# KiCad board RASBB.kicad_pcb (continued)
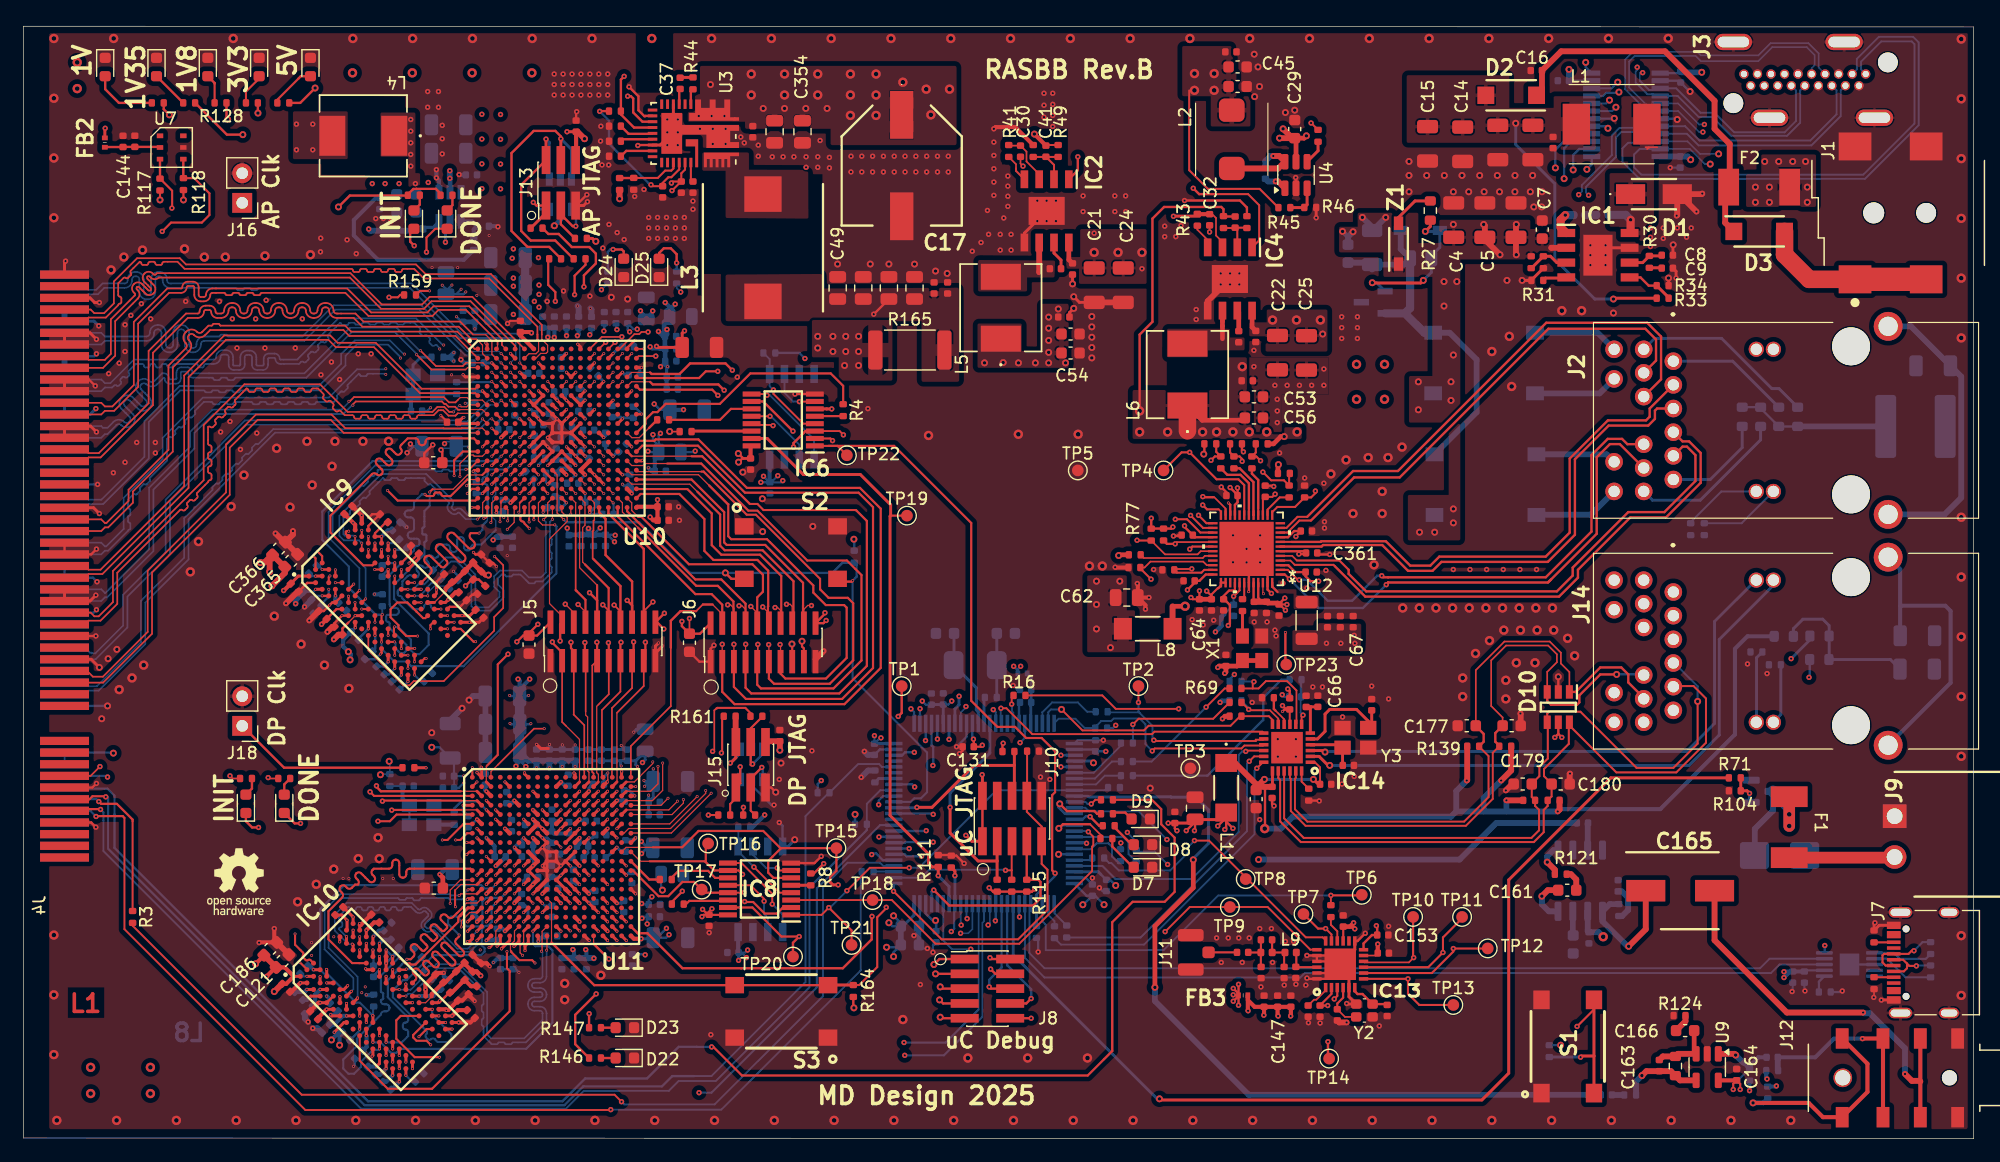
[diagram p0: board, top side]
## Routing (per net, layer and track width the routed paths; a pad name or vN(x,y) marks a point on that pad's centre or on a via; arc(x,y) is an arc through that point) (continued)
/Audio_IN-OUT/Audio_IN: length 7
  Top w0.5: v1(138.79,5.41) 139.17,5.79 C163.2 141.28,5.79 R123.2 142.06,5 U9.4
  Bottom w0.5: v1(138.79,5.41) 138.29,4.91 R21.2
/Audio_IN-OUT/Audio_PTT: length 87.8
  Top w0.35: J12.4B 158.13,6.43 158.13,4.01 J12.4A 154.32,1.84 153.09,3.07 v1(148.32,3.07)
  In3.Cu w0.4: v1(148.32,3.07) 123.82,3.07 103.93,22.96 96.63,22.96 96.22,23.37 89.79,23.37 v1(88.77,24.39)
  Bottom w0.2: v1(88.77,24.39) IC12.45
  Bottom w0.4: R67.1 149.2,3.07 v1(148.32,3.07)
/Audio_IN-OUT/LM386_INP: length 2.3
  Bottom w0.5: U8.3 134.14,27.05
/Config-SPI FLASH/CS_Flash_FPGA1: length 23
  Top w0.1: U10.L13 v2(48.97,59.34)
  Top w0.177: IC6.2 69.2,60.06 v4(69.39,59.88)
  In3.Cu w0.177: v2(48.97,59.34) 49.64,59.34 50.32,60.02 53.73,60.02 53.81,59.94 54.17,59.94 54.25,60.02 69.24,60.02 v4(69.39,59.88)
/Config-SPI FLASH/MUX_EN1: length 52.3
  Top w0.177: 74.37,53.44 TP19.1
  Top w0.25: v4(78.45,22.56) R111.2 77.93,23.31 77.62,23.62 77.62,24.42 74.32,27.72 74.32,53.39 74.37,53.44 74.37,54.37 71.77,56.97 66.88,56.97 63.79,60.06 IC6.15
  Bottom w0.25: v4(78.45,22.56) 79.38,21.63 IC12.69
/Config-SPI FLASH/MUX_EN2: length 28.4
  Top w0.186: v4(66.53,17.34) 65.01,17.34 62.52,19.83 60.42,19.83
  Top w0.2: TP20.1 66,16.8 v4(66.53,17.34)
  Top w0.25: R112.2 79.88,22.95 v4(79.88,22.56)
  In4.Cu w0.186: v4(79.57,17.77) 78.77,16.97 66.9,16.97 v4(66.53,17.34)
  Bottom w0.186: IC12.68 79.82,20.09 79.82,18.02 v4(79.57,17.77)
  Bottom w0.25: IC12.68 v4(79.88,22.56)
/Config-SPI FLASH/SCK_Flash_FPGA1: length 5.1
  Top w0.25: IC6.14 57.35,60.7
/Config-SPI FLASH/SCK_Flash_FPGA2: length 3.9
  Top w0.186: 60.42,20.47 60.35,20.39 57.1,20.39 56.73,20.02
/Config-SPI FLASH/SI_Flash_FPGA1: length 7.5
  Top w0.186: IC6.11 60.68,62.6 59.74,61.66 R2.2
/Config-SPI FLASH/SI_Flash_FPGA2: length 5.3
  Top w0.186: 55.6,22.4 56.17,22.97 58.72,22.97 59.32,22.37 60.42,22.37
/Config-SPI FLASH/SO_Flash_FPGA1: length 2.4
  Top w0.186: R4.2 67.89,61.98
/Config-SPI FLASH/SO_Flash_FPGA2: length 1.7
  Top w0.25: IC8.5 67.51,21.74
/Config-SPI FLASH/SWITCH_FLASH_1: length 58.1
  Top w0.177: TP22.1 69.81,59.43 IC6.1
  Top w0.186: 69.07,59.43 74.66,59.43 81.28,52.81 81.28,37.56 83.52,35.32 85.04,35.32 85.99,34.37 87.32,34.37 88.47,33.22 88.47,29.72 88.22,29.47 88.22,23.02 v4(88.47,22.77)
  Bottom w0.186: IC12.54 86.88,20.94 88.47,22.53 v4(88.47,22.77)
  Bottom w0.25: R113.1 86.87,20.14
/Config-SPI FLASH/SWITCH_FLASH_2: length 35.7
  Top w0.16: v4(70.62,21.27) 72.59,23.24 v4(75.96,23.24) ; v4(69.07,19.82) 68.45,19.2 IC8.1
  Top w0.177: TP21.1 71.02,17.87 v4(69.07,19.82)
  Bottom w0.16: v4(69.07,19.82) 69.17,19.82 v4(70.62,21.27) ; v4(75.96,23.24) 76.8,23.24 83.46,29.89 IC12.34 92.78,29.89 R106.2
/CS2_FLASH_uC: length 32.7
  Top w0.2: v4(72.77,19.07) 72.75,19.04 72.75,17.09 70.27,14.62 61.55,14.62 61.55,14.62 56.52,14.62 53.52,17.62 52.68,17.62 U11.U18
  In6.Cu w0.2: v4(72.75,24.37) 72.69,24.32 72.69,19.14 v4(72.77,19.07)
  Bottom w0.2: IC12.80 73.7,23.89 73.12,24.47 72.84,24.47 v4(72.75,24.37)
/CS_FLASH_FPGA2: length 20.6
  Top w0.1: U11.L13 v2(48.5,22.6)
  Top w0.186: v4(61.85,20.34) 61.89,20.3 62.58,20.3 63.57,19.31 64.61,19.31 65.13,19.83 IC8.2
  Top w0.25: U11.L13 v2(48.5,22.6)
  In3.Cu w0.186: 61.83,20.36 60.15,20.36 60.14,20.37 54.16,20.37 54.08,20.3 53.62,20.3 53.29,20.62 53.29,21.52 52.63,22.19 48.91,22.19 v2(48.5,22.6)
/CS_FLASH_uC: length 107.5
  Top w0.16: v4(91.32,26.33) 91.75,25.9 91.75,25.16 91.65,25.05 91.65,22.96 85.4,16.72 78.22,16.72 74.47,20.47 IC8.3 ; v4(70.32,60.37) 69.99,60.7 IC6.3
  Top w0.186: U10.E18 52.87,64.24 59.07,64.24 v4(59.56,63.76)
  Top w0.2: v4(66.05,59.33) 66.05,59.67 66.88,60.5 66.88,60.51 67.07,60.7 IC6.3
  In4.Cu w0.16: v4(91.32,26.33) 91.97,25.68 91.97,24.82 92.57,24.22 93.62,24.22 96.12,26.72 96.12,33.82 70.32,59.62 v4(70.32,60.37)
  In4.Cu w0.2: v4(59.56,63.76) 64.44,58.87 65.58,58.87 v4(66.05,59.33)
  Bottom w0.16: IC12.41 91.26,26.39 v4(91.32,26.33)
/DDR3-01/CK_N: length 27.2
  Top w0.1: v2(45.37,53.12) U10.V9
  Top w0.177: IC9.K7 v2(33.54,46.56)
  Bottom w0.141: v2(33.54,46.56) 34,46.56 34.64,47.2 34.64,47.31 34.98,47.64 35.45,47.64 R87.2 35.84,48.67 36.68,49.51 37.16,49.51 38.42,48.25 38.42,45.68 38.8,45.3 40.06,45.3 41.17,46.41 41.17,47.06 40.71,47.52 40.71,48.09 41.01,48.39 41.25,48.39 arc(41.31,48.36) 41.33,48.31 arc(41.36,48.25) 41.41,48.23 41.85,48.23 arc(41.91,48.25) 41.93,48.31 arc(41.96,48.36) 42.01,48.39 42.62,48.39 43.21,47.8 arc(43.27,47.77) 43.29,47.72 arc(43.31,47.66) 43.37,47.64 43.81,47.64 arc(43.87,47.66) 43.89,47.72 arc(43.91,47.77) 43.97,47.8 44.52,47.8 45.15,48.43 arc(45.18,48.49) 45.23,48.51 arc(45.29,48.53) 45.31,48.59 45.31,49.03 arc(45.29,49.09) 45.23,49.11 arc(45.18,49.13) 45.15,49.19 45.15,49.63 arc(45.18,49.69) 45.23,49.71 arc(45.29,49.73) 45.31,49.79 45.31,50.23 arc(45.29,50.29) 45.23,50.31 arc(45.18,50.33) 45.15,50.39 45.15,50.83 arc(45.18,50.89) 45.23,50.91 arc(45.29,50.93) 45.31,50.99 45.31,51.43 arc(45.29,51.49) 45.23,51.51 arc(45.18,51.53) 45.15,51.59 45.15,52.9 v2(45.37,53.12)
/DDR3-01/CK_P: length 27.2
  Top w0.1: U10.U9 44.96,54.53 44.96,53.45 v2(44.61,53.1)
  Top w0.177: IC9.J7 v2(32.98,47.12)
  Bottom w0.141: v2(44.61,53.1) 44.81,52.9 44.81,48.57 44.38,48.14 43.35,48.14 42.76,48.73 40.87,48.73 40.37,48.23 40.37,47.34 40.83,46.88 40.83,46.5 39.9,45.57 39.02,45.57 38.76,45.82 38.76,48.39 37.3,49.85 36.22,49.85 R87.1 34.73,48.37 34.73,47.89 34.4,47.55 33.86,47.55 33.43,47.12 v2(32.98,47.12)
/DDR3-01/DDR301_A0: length 29.2
  Top w0.1: 39.35,56.13 38.13,56.13 v2(38.01,56.01)
  Top w0.177: U10.R2 39.36,56.13 39.35,56.13 ; IC9.N3 v2(32.41,42.03)
  In3.Cu w0.177: v2(32.41,42.03) 31.83,42.03 31.48,41.68 31.47,41.68 31.47,41.57 30.94,41.04 30.94,39.69 30.53,39.28 29.7,39.28 28.61,40.37 28.61,41.15 29.24,41.78 29.25,41.78 30.64,43.17 30.64,43.33 31.2,43.89 31.2,45.23 31.5,45.53 32.67,45.53 33.03,45.89 33.4,45.89 37.26,49.75 37.26,55.26 v2(38.01,56.01)
/DDR3-01/DDR301_A1: length 28.7
  Top w0.177: U10.M6 v2(42.57,58.54) ; IC9.P7 35.16,44.3 34.91,44.05 v2(34.91,43.73)
  In4.Cu w0.1: 42.53,49.95 42.79,50.22 42.79,54.45 42.23,55.01 42.23,55.46 42.51,55.74 42.78,55.74 42.99,55.95 42.99,56.37 arc(43.06,56.55) 43.24,56.62 arc(43.42,56.69) 43.49,56.87 43.49,56.97 arc(43.42,57.15) 43.24,57.22 arc(43.06,57.29) 42.99,57.47 42.99,58.12 42.93,58.18
  In4.Cu w0.177: 42.93,58.18 v2(42.57,58.54) ; v2(34.91,43.73) 35.25,43.39 36.85,43.39 36.9,43.44 arc(37.04,43.49) 37.18,43.44 arc(37.32,43.38) 37.46,43.44 37.6,43.58 arc(37.66,43.72) 37.6,43.86 37.39,44.07 arc(37.36,44.14) 37.39,44.21 37.68,44.5 arc(37.75,44.53) 37.82,44.5 arc(37.89,44.47) 37.96,44.5 38.24,44.78 arc(38.32,44.98) 38.24,45.18 37.97,45.45 arc(37.89,45.65) 37.97,45.85 37.99,45.87 arc(38.19,45.96) 38.4,45.87 39.01,45.26 arc(39.15,45.2) 39.29,45.26 39.43,45.4 arc(39.49,45.55) 39.43,45.69 38.96,46.16 arc(38.88,46.36) 38.96,46.56 38.98,46.58 arc(39.18,46.67) 39.39,46.58 39.86,46.11 arc(40,46.05) 40.14,46.11 40.28,46.25 arc(40.34,46.39) 40.28,46.54 40.05,46.77 arc(40.01,46.85) 40.05,46.94 40.3,47.19 arc(40.39,47.23) 40.48,47.19 40.71,46.96 arc(40.85,46.9) 40.99,46.96 41.13,47.1 arc(41.19,47.24) 41.13,47.38 40.9,47.61 arc(40.86,47.7) 40.9,47.79 41.15,48.04 arc(41.24,48.08) 41.32,48.04 arc(41.41,48) 41.5,48.04 42.1,48.64 42.11,48.64 42.53,49.06 42.53,49.95
/DDR3-01/DDR301_A2: length 29.2
  Top w0.177: 33.53,42.05 32.99,42.05 IC9.P3 ; U10.N4 v2(40.97,57.74)
  In3.Cu w0.1: 40.87,54.03 40.89,54.01 40.89,53.41 40.79,53.32
  In3.Cu w0.177: v2(33.56,42.05) 33.58,42.07 33.58,42.52 33.45,42.65 33.45,42.65 32.61,43.49 32.61,44.39 32.83,44.61 33.56,44.61 33.71,44.46 34.19,44.46 arc(34.25,44.6) 34.19,44.74 arc(34.13,44.88) 34.19,45.03 34.33,45.17 arc(34.47,45.23) 34.61,45.17 arc(34.76,45.11) 34.9,45.17 35.04,45.31 35.07,45.31 35.07,45.6 arc(35.18,45.65) 35.28,45.6 arc(35.39,45.56) 35.5,45.6 35.71,45.82 arc(35.75,45.92) 35.71,46.03 arc(35.67,46.13) 35.71,46.24 36.84,47.37 arc(36.95,47.42) 37.05,47.37 arc(37.16,47.33) 37.26,47.37 37.48,47.58 arc(37.52,47.69) 37.48,47.8 arc(37.43,47.9) 37.48,48.01 37.69,48.22 arc(37.89,48.3) 38.09,48.22 38.29,48.02 arc(38.49,47.94) 38.69,48.02 38.71,48.04 arc(38.8,48.25) 38.71,48.45 38.12,49.04 arc(38.04,49.24) 38.12,49.43 38.16,49.46 arc(38.35,49.55) 38.54,49.46 arc(38.74,49.38) 38.93,49.46 39.48,50.01 39.48,51.06 39.79,51.37 39.79,51.79 39.65,51.93 39.65,52.18 39.89,52.42 40.41,52.42 40.51,52.52 40.51,53.03 40.79,53.32 ; 40.87,54.03 40.78,54.12 40.33,54.12 40.16,54.29 38.83,54.29 38.67,54.45 38.67,54.7 38.86,54.89 40.49,54.89 40.62,55.02 40.62,55.74 40.63,55.75 40.63,56 40.63,57.14 40.97,57.48 v2(40.97,57.74)
/DDR3-01/DDR301_A3: length 29.3
  Top w0.177: IC9.N2 v2(31.85,41.47) ; U10.T1 38.48,55.74 v2(38.07,55.33)
  In3.Cu w0.177: v2(38.07,55.33) 37.73,54.99 37.73,53.9 arc(37.81,53.72) 37.99,53.64 38.26,53.64 arc(38.44,53.56) 38.52,53.38 38.52,53.35 arc(38.44,53.17) 38.26,53.09 37.99,53.09 arc(37.81,53.01) 37.73,52.83 37.73,52.8 arc(37.81,52.62) 37.99,52.54 38.26,52.54 arc(38.44,52.46) 38.52,52.28 38.52,52.25 arc(38.44,52.07) 38.26,51.99 37.99,51.99 arc(37.81,51.91) 37.73,51.73 37.73,51.7 arc(37.81,51.52) 37.99,51.44 38.26,51.44 arc(38.44,51.36) 38.52,51.18 38.52,51.15 arc(38.44,50.97) 38.26,50.89 37.99,50.89 arc(37.81,50.81) 37.73,50.63 37.73,50.6 arc(37.81,50.42) 37.99,50.34 38.01,50.34 arc(38.19,50.26) 38.27,50.08 38.27,50.05 arc(38.19,49.87) 38.01,49.79 37.99,49.79 arc(37.81,49.71) 37.73,49.53 37.73,48.93 37.07,48.27 arc(37,48.24) 36.93,48.27 arc(36.86,48.3) 36.79,48.27 36.54,48.02 arc(36.51,47.95) 36.54,47.88 arc(36.57,47.81) 36.54,47.74 36.52,47.72 arc(36.33,47.64) 36.15,47.72 36.1,47.77 arc(35.92,47.84) 35.73,47.77 35.71,47.75 arc(35.64,47.56) 35.71,47.38 35.76,47.33 arc(35.84,47.15) 35.76,46.96 35.76,46.93 35.56,46.73 35.53,46.73 34.31,45.51 33.45,45.51 33.1,45.16 31.77,45.16 31.58,44.97 31.58,44.7 32.3,43.98 32.3,42.63 32.75,42.17 32.75,41.86 32.64,41.75 32.64,41.33 32.84,41.13 32.95,41.13 33.2,40.88 33.2,40.76 33.4,40.56 33.41,40.56 33.41,40.24 33.1,39.93 32.83,39.93 31.85,40.91 v2(31.85,41.47)
/DDR3-01/DDR301_A4: length 29.3
  Top w0.177: IC9.P8 v2(36.37,44.86) ; U10.N6 v2(42.57,57.74)
  In3.Cu w0.177: v2(36.37,44.86) 35.65,44.14 35.65,43.93 34.98,43.26 34.69,43.26 34.28,43.67 34.28,43.9 34.66,44.27 35.23,44.27 36.24,45.28 arc(36.39,45.34) 36.54,45.28 arc(36.69,45.21) 36.84,45.28 36.89,45.33 arc(36.96,45.48) 36.89,45.63 arc(36.83,45.78) 36.89,45.93 36.94,45.98 arc(37.01,46.15) 36.94,46.32 36.79,46.47 arc(36.72,46.64) 36.79,46.81 36.81,46.82 arc(36.98,46.89) 37.15,46.82 37.3,46.67 arc(37.47,46.6) 37.63,46.67 37.88,46.92 38.43,46.92 arc(38.6,46.99) 38.67,47.16 38.67,47.47 arc(38.74,47.64) 38.91,47.71 38.93,47.71 arc(39.1,47.64) 39.17,47.47 39.17,47.16 arc(39.24,46.99) 39.41,46.92 39.52,46.92 40.71,48.11 40.71,48.75 arc(40.78,48.78) 40.85,48.75 arc(40.92,48.72) 40.99,48.75 41.21,48.96 arc(41.24,49.03) 41.21,49.1 40.78,49.53 arc(40.71,49.69) 40.78,49.86 40.8,49.88 arc(40.97,49.95) 41.14,49.88 41.32,49.7 arc(41.49,49.63) 41.66,49.7 42.14,50.18 42.14,50.73 arc(42.07,50.9) 41.9,50.97 41.69,50.97 arc(41.52,51.04) 41.45,51.2 41.45,51.23 arc(41.52,51.4) 41.69,51.47 41.9,51.47 arc(42.07,51.54) 42.14,51.7 42.14,51.73 arc(42.1,51.83) 42,51.87 arc(41.9,51.91) 41.86,52.01 41.86,52.24 arc(41.9,52.34) 42,52.38 42.49,52.38 arc(42.66,52.45) 42.73,52.62 42.73,52.64 arc(42.66,52.81) 42.49,52.88 42.38,52.88 arc(42.21,52.95) 42.14,53.12 42.14,57.31 v2(42.57,57.74)
/DDR3-01/DDR301_A5: length 29.2
  Top w0.177: U10.R7 v2(43.37,56.14) ; IC9.P2 32.98,41.47
  In3.Cu w0.1: v2(32.98,41.47) 33.63,41.47 ; 43.06,52.22 43.06,52.48 43.04,52.5 43.04,53.03 43.08,53.07 43.08,55.17 43.04,55.21 43.04,55.81 v2(43.37,56.14)
  In3.Cu w0.177: 33.63,41.47 33.77,41.47 34.18,41.87 arc(34.26,42.08) 34.18,42.28 34.02,42.44 arc(33.93,42.64) 34.02,42.84 34.04,42.86 arc(34.24,42.95) 34.44,42.86 35.45,41.85 arc(35.65,41.77) 35.85,41.85 35.88,41.87 arc(35.96,42.08) 35.88,42.28 35.43,42.72 arc(35.35,42.92) 35.43,43.13 35.96,43.65 35.96,43.88 37.34,45.26 arc(37.54,45.34) 37.74,45.26 37.83,45.16 arc(38.03,45.08) 38.23,45.16 38.26,45.19 arc(38.34,45.39) 38.26,45.59 38.16,45.68 arc(38.08,45.88) 38.16,46.08 38.31,46.23 38.96,46.23 arc(39.03,46.2) 39.06,46.13 arc(39.09,46.06) 39.16,46.03 39.56,46.03 arc(39.63,46.06) 39.66,46.13 arc(39.69,46.2) 39.76,46.23 40.61,46.23 41.56,47.18 arc(41.64,47.38) 41.84,47.46 42.28,47.46 arc(42.48,47.55) 42.56,47.75 42.56,47.78 arc(42.48,47.98) 42.28,48.06 41.41,48.06 arc(41.3,48.11) 41.26,48.21 41.26,48.51 arc(41.3,48.62) 41.41,48.66 arc(41.52,48.71) 41.56,48.81 41.56,49.11 41.56,49.09 43.03,50.56 43.03,50.87 43.06,50.9 arc(42.98,51.11) 42.78,51.19 42.75,51.19 arc(42.55,51.27) 42.47,51.47 42.47,51.5 arc(42.55,51.71) 42.75,51.79 42.78,51.79 arc(42.98,51.87) 43.06,52.07 43.06,52.22
/DDR3-01/DDR301_A6: length 29.3
  Top w0.177: IC9.R8 v2(36.94,44.3) ; v2(43.39,52.35) 42.97,52.77 arc(42.92,52.89) 42.79,52.94 arc(42.67,53) 42.62,53.12 42.62,53.32 arc(42.67,53.44) 42.79,53.49 arc(42.92,53.55) 42.97,53.67 U10.V6
  In3.Cu w0.177: v2(36.94,44.3) 36.94,43.32 37.54,42.72 38.08,42.72 38.3,42.94 38.29,42.95 38.29,43.41 37.72,43.98 37.72,44.3 38.14,44.72 arc(38.33,44.8) 38.51,44.72 40.33,42.9 arc(40.51,42.83) 40.7,42.9 40.72,42.92 arc(40.79,43.11) 40.72,43.29 38.9,45.11 arc(38.82,45.29) 38.9,45.48 39.13,45.71 39.73,45.71 arc(39.91,45.63) 39.99,45.45 39.99,45.18 arc(40.07,44.99) 40.25,44.92 40.28,44.92 arc(40.46,44.99) 40.54,45.18 40.54,45.8 arc(40.57,45.87) 40.64,45.9 41,45.9 arc(41.06,45.87) 41.09,45.8 arc(41.12,45.74) 41.19,45.71 41.7,45.71 42.9,46.91 42.9,48.11 arc(42.82,48.29) 42.64,48.37 42.32,48.37 arc(42.13,48.45) 42.06,48.63 42.06,48.66 arc(42.13,48.84) 42.32,48.92 43.58,48.92 arc(43.77,49) 43.84,49.18 43.84,49.21 arc(43.77,49.39) 43.58,49.47 43.16,49.47 arc(42.98,49.55) 42.9,49.73 42.9,49.88 43.39,50.37 v2(43.39,52.35)
/DDR3-01/DDR301_A7: length 28.7
  Top w0.1: 43.37,53.18 43.37,54.54 U10.U7
  Top w0.177: 43.37,53.18 v2(43.37,52.9) ; IC9.R2 v2(32.98,40.34)
  In4.Cu w0.177: v2(32.98,40.34) 32.98,39.69 32.39,39.1 32.39,39.1 32.17,38.88 31.5,38.88 30.95,39.43 30.95,40 33.34,42.39 33.96,42.39 34.45,41.9 37.41,41.9 38.88,43.37 39.74,43.37 42.47,46.1 arc(42.5,46.17) 42.47,46.23 arc(42.45,46.29) 42.47,46.35 42.77,46.65 arc(42.84,46.68) 42.9,46.65 arc(42.96,46.63) 43.02,46.65 43.52,47.15 43.52,52 43.73,52.21 43.73,52.52 43.37,52.88 v2(43.37,52.9)
/DDR3-01/DDR301_A8: length 29.3
  Top w0.177: v2(38.78,42.63) 38.6,42.63 37.5,43.73 IC9.T8 ; U10.R8 v2(44.17,56.14)
  In3.Cu w0.177: v2(38.78,42.63) 38.9,42.51 41.35,42.51 41.77,42.93 arc(41.87,43.16) 41.77,43.4 41.55,43.62 arc(41.46,43.85) 41.55,44.09 41.58,44.11 arc(41.81,44.21) 42.05,44.11 42.95,43.21 arc(43.19,43.11) 43.42,43.21 43.45,43.23 arc(43.54,43.47) 43.45,43.7 42.54,44.61 arc(42.45,44.84) 42.54,45.08 42.57,45.1 arc(42.8,45.2) 43.04,45.1 43.25,44.88 arc(43.49,44.79) 43.72,44.88 44.17,45.33 44.17,46.08 arc(44.07,46.32) 43.84,46.41 43.63,46.41 arc(43.4,46.51) 43.3,46.74 43.3,46.78 arc(43.4,47.02) 43.63,47.11 44.81,47.11 arc(45.04,47.21) 45.14,47.44 45.14,47.48 arc(45.04,47.72) 44.81,47.81 43.63,47.81 arc(43.4,47.91) 43.3,48.14 43.3,48.18 arc(43.4,48.42) 43.63,48.51 43.84,48.51 arc(44.07,48.61) 44.17,48.84 v2(44.17,56.14)
/DDR3-01/DDR301_A9: length 28.6
  Top w0.177: U10.V7 43.77,53.1 v2(43.78,53.09) ; IC9.R3 v2(33.54,40.9)
  In4.Cu w0.177: v2(43.78,53.09) 44.17,52.7 44.17,50.39 arc(44.24,50.22) 44.42,50.14 arc(44.6,50.07) 44.67,49.9 44.67,49.79 arc(44.6,49.62) 44.42,49.54 44.02,49.54 arc(43.91,49.5) 43.87,49.4 43.87,49.09 arc(43.91,48.99) 44.02,48.94 44.42,48.94 arc(44.6,48.87) 44.67,48.7 44.67,48.59 arc(44.6,48.42) 44.42,48.34 44.02,48.34 arc(43.91,48.3) 43.87,48.2 43.87,47.89 arc(43.91,47.79) 44.02,47.74 44.42,47.74 arc(44.6,47.67) 44.67,47.5 44.67,47.39 arc(44.6,47.22) 44.42,47.14 44,47.14 arc(43.87,47.09) 43.82,46.97 43.82,46.72 arc(43.87,46.6) 44,46.54 arc(44.12,46.49) 44.17,46.37 43.34,45.54 arc(43.16,45.46) 42.98,45.54 arc(42.81,45.61) 42.63,45.54 42.56,45.47 arc(42.49,45.29) 42.56,45.11 arc(42.63,44.94) 42.56,44.76 42.49,44.69 arc(42.31,44.62) 42.14,44.69 arc(41.96,44.76) 41.78,44.69 41.71,44.62 arc(41.64,44.44) 41.71,44.26 arc(41.78,44.09) 41.71,43.91 41.64,43.84 arc(41.46,43.77) 41.29,43.84 arc(41.11,43.91) 40.93,43.84 40.86,43.77 arc(40.79,43.59) 40.86,43.42 arc(40.94,43.24) 40.86,43.06 39.76,43.06 39.47,42.77 arc(39.39,42.59) 39.47,42.41 arc(39.54,42.24) 39.47,42.06 39.4,41.99 arc(39.22,41.92) 39.04,41.99 arc(38.87,42.06) 38.69,41.99 38.23,41.53 37.36,41.53 arc(37.18,41.46) 37.11,41.28 arc(37.04,41.1) 36.86,41.03 36.76,41.03 arc(36.58,41.1) 36.51,41.28 arc(36.44,41.46) 36.26,41.53 36.16,41.53 arc(35.98,41.46) 35.91,41.28 arc(35.84,41.1) 35.66,41.03 35.56,41.03 arc(35.38,41.1) 35.31,41.28 arc(35.24,41.46) 35.06,41.53 33.9,41.53 33.54,41.17 v2(33.54,40.9)
/DDR3-01/DDR301_A10/AP: length 28.6
  Top w0.1: U10.R6 v2(42.57,56.14)
  Top w0.177: v2(34.11,45.99) IC9.L7
  In4.Cu w0.1: 42.07,53.59 42.07,54.67 41.87,54.87 41.87,55.44 v2(42.57,56.14) ; 42.17,51.32 42.17,52
  In4.Cu w0.177: v2(34.11,45.99) 33.86,45.74 32.69,45.74 31.72,44.77 31.72,44.5 31.9,44.32 32.22,44.32 32.7,44.8 33.74,44.8 34.55,45.61 34.55,45.62 34.73,45.8 arc(34.76,45.87) 34.73,45.94 arc(34.7,46.01) 34.73,46.08 35.01,46.36 arc(35.08,46.39) 35.15,46.36 arc(35.22,46.33) 35.29,46.36 36.04,47.1 arc(36.12,47.31) 36.04,47.51 35.94,47.6 arc(35.86,47.8) 35.94,48 35.97,48.02 arc(36.17,48.11) 36.37,48.02 36.99,47.4 arc(37.19,47.32) 37.39,47.4 37.42,47.42 arc(37.5,47.62) 37.42,47.83 37.29,47.95 arc(37.2,48.15) 37.29,48.36 37.31,48.38 arc(37.51,48.46) 37.71,48.38 38.02,48.07 arc(38.22,47.99) 38.42,48.07 38.44,48.09 arc(38.52,48.3) 38.44,48.5 37.64,49.3 arc(37.56,49.5) 37.64,49.7 37.66,49.72 arc(37.86,49.8) 38.07,49.72 38.16,49.63 arc(38.36,49.55) 38.56,49.63 39.2,50.27 arc(39.38,50.2) 39.45,50.02 arc(39.53,49.84) 39.7,49.77 39.8,49.77 arc(39.98,49.84) 40.05,50.02 arc(40.13,50.2) 40.3,50.27 41.12,50.27 42.17,51.32 ; 42.07,53.59 42.17,53.49 42.17,52
/DDR3-01/DDR301_A11: length 28.6
  Top w0.1: 42.57,54.54 42.56,54.52 42.56,53.81 v2(42.49,53.74)
  Top w0.177: IC9.R7 v2(36.37,43.73) ; U10.U6 42.57,54.54
  In4.Cu w0.141: 42.48,50.57 42.48,53.67 42.52,53.71
  In4.Cu w0.177: v2(42.49,53.74) 42.52,53.71 ; v2(36.37,43.73) 36.37,43.97 36.27,44.07 34.77,44.07 34.4,43.7 33.27,43.7 32.48,42.91 32,42.91 31.82,43.09 31.82,43.34 32.86,44.38 33.89,44.38 36.48,46.97 arc(36.64,46.91) 36.71,46.75 arc(36.78,46.59) 36.94,46.52 37.03,46.52 arc(37.19,46.59) 37.26,46.75 arc(37.33,46.91) 37.49,46.97 37.58,46.97 arc(37.75,46.91) 37.81,46.75 arc(37.88,46.58) 38.04,46.52 38.16,46.52 arc(38.32,46.58) 38.38,46.75 38.38,47.2 arc(38.45,47.37) 38.61,47.43 38.71,47.43 arc(38.87,47.37) 38.93,47.2 arc(39,47.04) 39.16,46.97 39.62,46.97 40.62,47.97 40.62,48.49 arc(40.78,48.56) 40.94,48.49 arc(41.11,48.42) 41.27,48.49 41.35,48.57 arc(41.41,48.73) 41.35,48.89 41.02,49.22 arc(40.95,49.38) 41.02,49.55 41.08,49.61 arc(41.25,49.68) 41.41,49.61 41.74,49.28 arc(41.9,49.22) 42.06,49.28 42.13,49.35 arc(42.19,49.51) 42.13,49.67 arc(42.06,49.83) 42.13,50 42.48,50.35 42.48,50.57
/DDR3-01/DDR301_A12/nBC: length 37.5
  Top w0.177: v2(33.8,43.11) 32.84,43.11 32.17,43.78 32.17,44.04 31.49,44.72 31.49,45.41 32.07,45.99 32.94,45.99 34.28,44.65 34.46,44.65 IC9.N7 ; U10.T6 v2(42.57,55.34)
  In4.Cu w0.1: 43.06,51.89 43.06,53.26 arc(43.14,53.45) 43.33,53.53 43.94,53.53 arc(44.13,53.61) 44.21,53.8 44.21,53.83 arc(44.13,54.02) 43.94,54.1 43.33,54.1 arc(43.14,54.18) 43.06,54.37 43.06,54.51 42.57,55 v2(42.57,55.34) ; v2(33.8,43.11) 33.8,43.11
  In4.Cu w0.177: v2(33.8,43.11) 33.8,43.1 34.44,42.46 arc(34.61,42.53) 34.68,42.7 34.68,42.89 arc(34.75,43.06) 34.91,43.13 34.94,43.13 arc(35.11,43.06) 35.18,42.89 35.18,42.35 arc(35.21,42.28) 35.28,42.25 35.57,42.25 arc(35.65,42.28) 35.68,42.35 35.68,42.79 arc(35.75,42.96) 35.91,43.03 35.94,43.03 arc(36.11,42.96) 36.18,42.79 36.18,42.7 arc(36.25,42.53) 36.41,42.46 36.94,42.46 37.33,42.85 arc(37.45,42.9) 37.58,42.85 arc(37.7,42.8) 37.82,42.85 37.93,42.96 arc(37.98,43.08) 37.93,43.2 arc(37.88,43.33) 37.93,43.45 38.04,43.56 arc(38.16,43.61) 38.28,43.56 arc(38.41,43.5) 38.53,43.56 38.64,43.66 arc(38.69,43.79) 38.64,43.91 arc(38.59,44.03) 38.64,44.16 38.74,44.26 arc(38.79,44.37) 38.74,44.48 arc(38.7,44.59) 38.74,44.7 38.89,44.85 arc(39,44.89) 39.11,44.85 39.74,44.22 arc(39.91,44.15) 40.08,44.22 40.09,44.24 arc(40.16,44.41) 40.09,44.58 39.74,44.93 arc(39.67,45.09) 39.74,45.26 39.76,45.28 arc(39.93,45.35) 40.1,45.28 40.45,44.93 arc(40.61,44.86) 40.78,44.93 40.8,44.95 arc(40.87,45.11) 40.8,45.28 40.45,45.63 arc(40.38,45.8) 40.45,45.97 40.47,45.99 arc(40.63,46.06) 40.8,45.99 41.15,45.64 arc(41.32,45.57) 41.49,45.64 41.51,45.65 arc(41.58,45.82) 41.51,45.99 41.16,46.34 arc(41.09,46.51) 41.16,46.68 43.06,48.58 43.06,51.89
/DDR3-01/DDR301_A13: length 28.6
  Top w0.177: U10.T8 v2(44.97,55.34) ; IC9.T3 34.4,41.19 v2(34.54,41.19)
  In4.Cu w0.177: v2(34.54,41.19) 34.7,41.03 34.7,38.88 35.32,38.26 36.49,38.26 37.31,39.07 arc(37.39,39.27) 37.31,39.47 37.14,39.64 arc(37.06,39.84) 37.14,40.04 37.16,40.06 arc(37.37,40.14) 37.57,40.06 38.3,39.33 arc(38.5,39.25) 38.7,39.33 38.72,39.35 arc(38.8,39.56) 38.72,39.76 38.56,39.92 arc(38.47,40.12) 38.56,40.32 39.11,40.87 44.99,46.76 44.99,55.32 v2(44.97,55.34)
/DDR3-01/DDR301_BA0: length 27.4
  Top w0.1: U10.R1 38.11,56.54
  Top w0.177: 38.11,56.54 38.06,56.54 36.65,55.13 35.99,55.13 arc(35.88,55.17) 35.84,55.28 arc(35.8,55.38) 35.69,55.43 35.39,55.43 arc(35.28,55.38) 35.24,55.28 arc(35.2,55.17) 35.09,55.13 34.59,55.13 v2(34.44,55.27) ; 31.81,42.61 31.29,42.61 IC9.M2
  Bottom w0.177: v2(31.83,42.61) 31.92,42.52 31.92,42.05 32.32,41.65 32.62,41.65 32.85,41.88 32.85,42.36 31.41,43.8 31.41,44.18 arc(31.37,44.29) 31.26,44.33 arc(31.15,44.38) 31.11,44.48 31.11,44.78 arc(31.15,44.89) 31.26,44.93 31.93,44.93 arc(32.13,45.02) 32.21,45.22 32.21,45.25 arc(32.13,45.45) 31.93,45.53 31.69,45.53 arc(31.49,45.62) 31.41,45.82 31.41,48.36 33.5,50.45 33.5,50.59 arc(33.57,50.76) 33.74,50.82 arc(33.9,50.89) 33.97,51.06 33.97,51.23 arc(33.9,51.39) 33.74,51.46 33.23,51.46 arc(33.04,51.54) 32.96,51.73 32.96,51.8 arc(33.04,51.98) 33.23,52.06 arc(33.42,52.14) 33.5,52.33 33.5,53.01 arc(33.42,53.21) 33.22,53.29 32.99,53.29 arc(32.78,53.38) 32.7,53.58 32.7,53.61 arc(32.78,53.81) 32.99,53.89 33.22,53.89 arc(33.42,53.98) 33.5,54.18 33.5,54.59 34.18,55.27 v2(34.44,55.27)
/DDR3-01/DDR301_BA1: length 27.3
  Top w0.1: U10.P4 v2(40.97,56.94)
  Top w0.177: IC9.N8 v2(35.81,45.43)
  Bottom w0.1: 40.51,56.48 40.51,55.25 40.24,54.99 40.24,53.27 40.51,53 40.51,52.21
  Bottom w0.177: 40.51,56.48 v2(40.97,56.94) ; v2(35.81,45.43) 35.2,45.43 35.19,45.42 arc(35.03,45.49) 34.97,45.64 arc(34.9,45.8) 34.74,45.87 34.59,45.87 arc(34.43,45.8) 34.37,45.64 arc(34.3,45.49) 34.14,45.42 33.42,45.42 32.5,46.34 arc(32.44,46.48) 32.3,46.54 arc(32.16,46.6) 32.1,46.74 32.1,46.94 arc(32.16,47.08) 32.3,47.14 arc(32.44,47.2) 32.5,47.34 32.5,47.8 32.96,48.26 arc(33.16,48.34) 33.36,48.26 33.42,48.2 arc(33.62,48.12) 33.82,48.2 33.84,48.22 arc(33.93,48.43) 33.84,48.63 33.79,48.68 arc(33.7,48.89) 33.79,49.09 33.81,49.11 arc(34.01,49.19) 34.21,49.11 34.27,49.05 arc(34.47,48.97) 34.67,49.05 34.69,49.07 arc(34.78,49.27) 34.69,49.48 34.64,49.53 arc(34.55,49.73) 34.64,49.94 34.66,49.96 arc(34.86,50.04) 35.06,49.96 35.12,49.9 arc(35.32,49.82) 35.52,49.9 35.54,49.92 arc(35.62,50.12) 35.54,50.32 35.48,50.38 arc(35.4,50.58) 35.48,50.78 35.66,50.96 36.31,50.96 arc(36.51,50.88) 36.6,50.68 36.6,50.6 arc(36.68,50.39) 36.88,50.31 36.91,50.31 arc(37.11,50.39) 37.2,50.6 37.2,51.33 arc(37.28,51.53) 37.48,51.61 37.51,51.61 arc(37.71,51.53) 37.8,51.33 37.8,50.71 arc(37.87,50.53) 38.05,50.46 38.15,50.46 arc(38.32,50.53) 38.4,50.71 arc(38.47,50.89) 38.65,50.96 39.26,50.96 40.51,52.21
/DDR3-01/DDR301_BA2: length 27.3
  Top w0.1: 35.09,55.71 36.86,55.71 38.08,56.93 39.36,56.93
  Top w0.177: 39.36,56.93 U10.P2 ; IC9.M3 31.78,43.23 31.78,43.85 v2(31.83,43.9) ; 35.09,55.71 v2(34.85,55.47)
  Bottom w0.177: v2(34.85,55.47) 34.85,54.29 34.39,53.83 34.39,52.51 arc(34.36,52.45) 34.3,52.42 arc(34.24,52.4) 34.21,52.34 34.21,51.91 arc(34.24,51.85) 34.3,51.82 34.48,51.82 arc(34.54,51.8) 34.57,51.74 34.57,51.31 arc(34.54,51.25) 34.48,51.22 arc(34.42,51.2) 34.39,51.14 34.39,50.12 31.79,47.52 31.79,46.31 34.76,43.34 34.76,42.35 33.97,41.56 33.57,41.56 33.22,41.91 33.22,42.82 32.14,43.9 v2(31.83,43.9)
/DDR3-01/DDR301_CLKE: length 27.1
  Top w0.177: IC9.K9 34.92,48.5 arc(35.02,48.74) 34.92,48.97 34.47,49.42 arc(34.37,49.65) 34.47,49.89 34.5,49.91 arc(34.73,50.01) 34.97,49.91 35.81,49.07 arc(35.97,49.01) 36.13,49.07 36.3,49.25 arc(36.37,49.41) 36.3,49.57 35.46,50.41 arc(35.36,50.64) 35.46,50.88 35.49,50.9 arc(35.72,51) 35.96,50.9 37.32,49.54 arc(37.56,49.44) 37.79,49.54 37.82,49.56 arc(37.92,49.8) 37.82,50.03 36.45,51.4 arc(36.35,51.63) 36.45,51.87 36.48,51.89 arc(36.71,51.99) 36.95,51.89 38.14,50.7 arc(38.37,50.61) 38.61,50.7 38.63,50.73 arc(38.73,50.96) 38.63,51.2 38.36,51.47 arc(38.26,51.7) 38.36,51.94 v2(39.08,51.94) ; U10.N5 v2(41.77,57.74)
  Bottom w0.1: 39.77,53.58 39.78,53.57 39.78,53.01 39.72,52.95
  Bottom w0.177: v2(39.08,51.94) 39.37,52.23 39.37,52.6 39.72,52.95 ; v2(41.77,57.74) 41.43,57.4 39.99,57.4 39.82,57.23 39.82,56.98 arc(39.75,56.82) 39.59,56.76 arc(39.43,56.69) 39.37,56.53 39.37,56.38 arc(39.43,56.22) 39.59,56.16 arc(39.75,56.09) 39.82,55.93